# Altium PCB HAE_PCB.PcbDoc (continued)
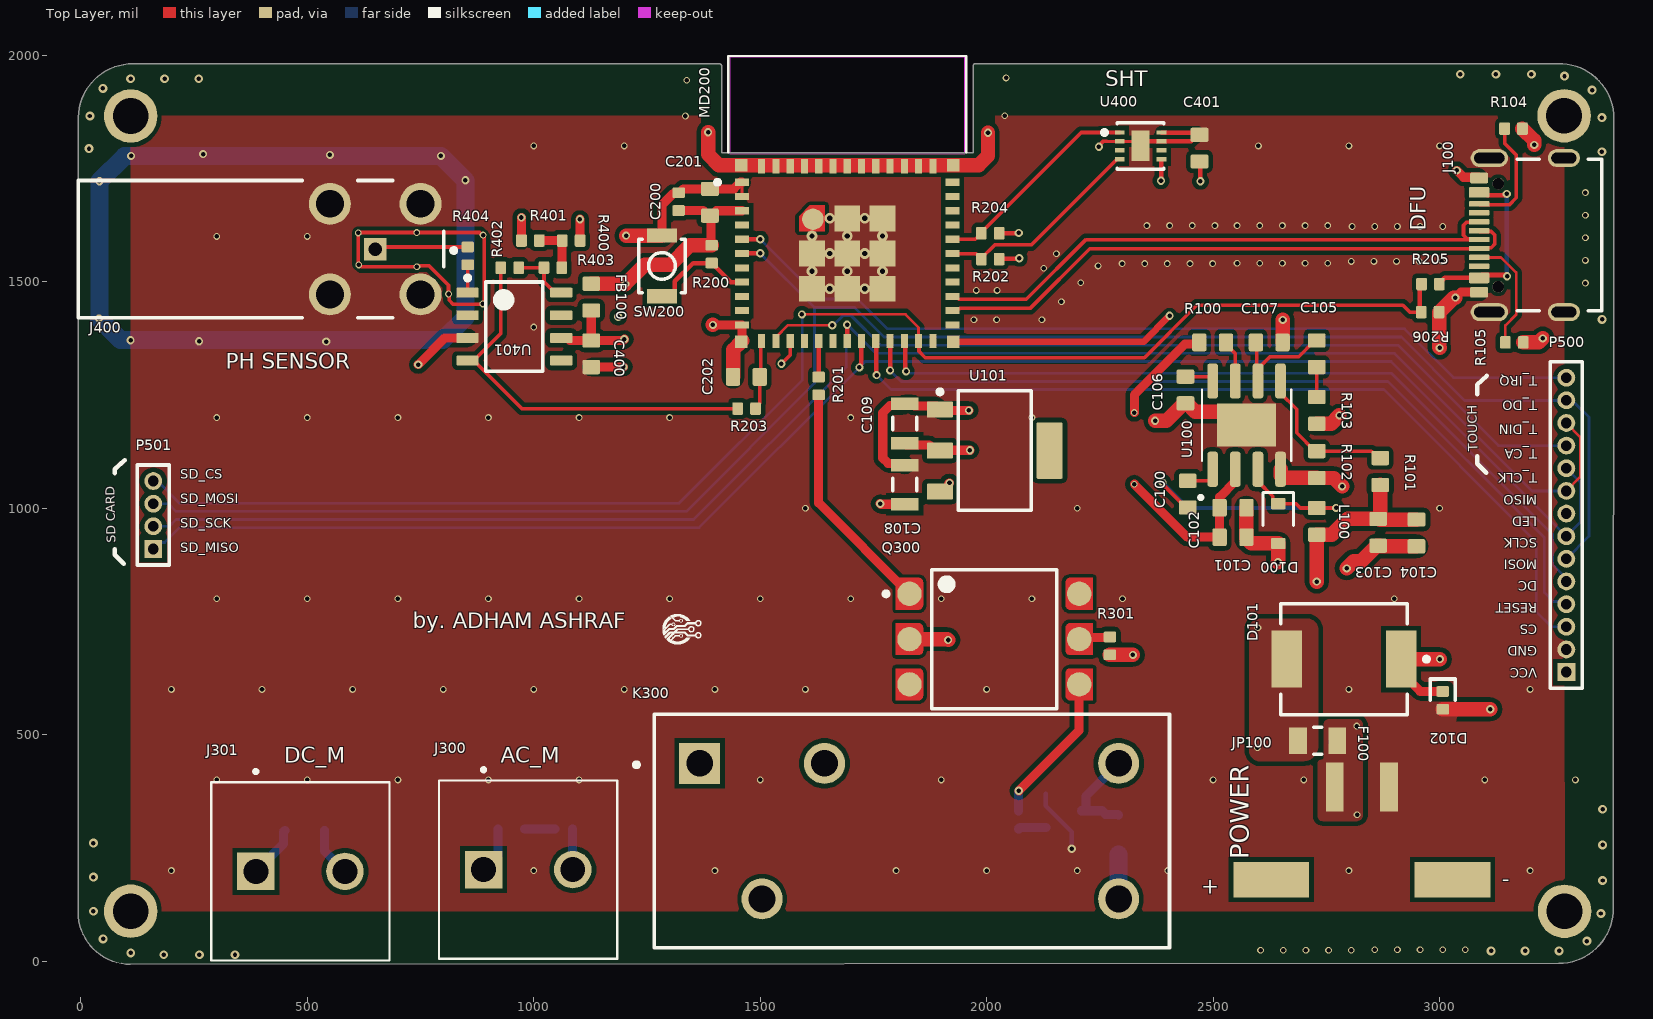
[diagram p0: Top Layer view]
## Footprints (in the part's own frame and the unit in brackets; to place one, negate y for a bottom-side part, rotate by r counter-clockwise, add the part's x,y. Pads: shape width x height; smd on the part's side, far side on the other; paste and mask are expansions set on the pad) (continued)
  round 2.35 hole 1.55 paste-2539.97 mask+0: 2(3.86,2.54) 3(8.94,2.54) 4(3.86,-2.54) 5(8.94,-2.54)
  silkscreen extent -10.25,-3.85 10.93,3.85, body extent -10.35,-3.95 10.35,3.95, height 0.25
FP-ESP32-C3-MINI-1-N4-MFG [mm]
  rect 0.8x0.4 smd paste+0 mask+0: 1(-5.9,4) 2(-5.9,3.2) 3(-5.9,2.4) 4(-5.9,1.6) 5(-5.9,0.8) 6(-5.9,0) 7(-5.9,-0.8) 8(-5.9,-1.6) 9(-5.9,-2.4) 10(-5.9,-3.2) 11(-5.9,-4) 25(5.9,-4) 26(5.9,-3.2) 27(5.9,-2.4) 28(5.9,-1.6) 29(5.9,-0.8) 30(5.9,0) 31(5.9,0.8) 32(5.9,1.6) 33(5.9,2.4) 34(5.9,3.2) 35(5.9,4)
  rect 0.4x0.8 smd paste+0 mask+0: 12(-4.8,-4.9) 13(-4,-4.9) 14(-3.2,-4.9) 15(-2.4,-4.9) 16(-1.6,-4.9) 17(-0.8,-4.9) 18(0,-4.9) 19(0.8,-4.9) 20(1.6,-4.9) 21(2.4,-4.9) 22(3.2,-4.9) 23(4,-4.9) 24(4.8,-4.9) 36(4.8,4.9) 37(4,4.9) 38(3.2,4.9) 39(2.4,4.9) 40(1.6,4.9) 41(0.8,4.9) 42(0,4.9) 43(-0.8,4.9) 44(-1.6,4.9) 45(-2.4,4.9) 46(-3.2,4.9) 47(-4,4.9) 48(-4.8,4.9)
  rect 1.45x1.45 smd paste+0 mask+0: 49(-1.975,-1.975) 49(-1.975,0) 49(0,-1.975) 49(0,0) 49(0,1.975) 49(1.975,-1.975) 49(1.975,0) 49(1.975,1.975)
  round 1.207 smd paste+0 mask+0: 49(-1.926,1.926)
  rect 0.7x0.7 smd paste+0 mask+0: 50(5.95,4.95) 51(5.95,-4.95) 52(-5.95,-4.95) 53(-5.95,4.95)
  Top Layer region: -2.7,1.25 -2.7,2.1 -2.1,2.7 -1.25,2.7 -1.25,1.25
  Keep-Out Layer region: -6.6,5.6 6.6,5.6 6.6,11 -6.6,11
  silkscreen extent -7.4,3.88 6.68,11.07, body extent -6.78,-5.77 6.78,11.17, height 0.25
FP-JW1FSN-B-DC5V-MFG [mm]
  rect 2.3x2.3 hole 1.5 paste-2539.97 mask+0: 1(11.9,-3.8)
  round 2.3 hole 1.5 paste-2539.97 mask+0: 2(4.9,-3.8) 3(-11.6,-3.8) 4(8.4,3.8) 5(-11.6,3.8)
  silkscreen extent -14.45,-6.55 15.57,6.55, body extent -14.55,-6.65 14.55,6.65, height 0.25
FP-MF-PSMF-MFG [mm]
  rect 1x1.5 smd paste+0 mask+0: 1(-1.1,0) 2(1.1,0)
  silkscreen extent -0.23,-0.75 0.23,0.75, body extent -1.7,-0.85 1.7,0.85, height 0.25
FP-SHT30-DIS-B2_5KS-MFG [mm]
  rect 0.55x0.25 smd paste-1000 mask-1000: 1(-1.175,0.75) 2(-1.175,0.25) 3(-1.175,-0.25) 4(-1.175,-0.75) 5(1.175,-0.75) 6(1.175,-0.25) 7(1.175,0.25) 8(1.175,0.75)
  rect 1x1.7 smd paste-1000 mask+0: 9(0,0)
  silkscreen extent -2.15,-1.3 1.3,1.3, body extent -1.65,-1.4 1.65,1.4, height 0.25
FP-SMC-MFG [mm]
  rect 1.72x3.2 smd paste+0 mask+0: 1(-3.205,0) 2(3.205,0)
  silkscreen extent -4.75,-3.11 3.55,3.11, body extent -4.17,-3.21 4.17,3.21, height 0.25
IND_0603 [mm]
  rrect25% 0.8x1 smd: 1(-0.75,0) 2(0.75,0)
  body extent -0.81,-0.37 0.81,0.37, height 0.87
MHDR1X4 [mm] "Connector; Header; 4 Position"
  rect 1x1 hole 0.6: 1(0,0)
  round 1 hole 0.6: 2(1.27,0) 3(2.54,0) 4(3.81,0)
  silkscreen extent -0.9,-0.9 4.71,0.9
MHDR1X14 [mm] "Connector; Header; 14 Position"
  rect 1x1 hole 0.6: 1(0,0)
  round 1 hole 0.6: 2(1.27,0) 3(2.54,0) 4(3.81,0) 5(5.08,0) 6(6.35,0) 7(7.62,0) 8(8.89,0) 9(10.16,0) 10(11.43,0) 11(12.7,0) 12(13.97,0) 13(15.24,0) 14(16.51,0)
  silkscreen extent -0.9,-0.9 17.41,0.9
MOLEX-MICROFIT-2-SMD-HORZ [mm] "Micro-Fit 3.0™ Right Angle Header, 3.00mm Pitch, Single Row, 2 Circuits, with Solder Tab, Tin, Glow Wire Capable, Black"
  rect 4.25x2 smd: 0(-5.08,-0.381) 0(5.08,-0.381)
  rect 1x2.75 smd: 1(1.524,4.826) 2(-1.524,4.826)
  body extent -6.79,-4.99 6.86,5.75, height 5.64
RES_0402 [mm]
  rrect25% 0.6x0.7 smd: 1(-0.5,0) 2(0.5,0)
  body extent -0.5,-0.25 0.5,0.25, height 0.3
RES_0603 [mm]
  rrect25% 0.8x1 smd: 1(-0.75,0) 2(0.75,0)
  body extent -0.8,-0.43 0.8,0.43, height 0.52
SOD-323 [mm]
  rrect25% 0.63x0.83 smd: A(-1.115,0) K(1.115,0)
  silkscreen extent -0.1,-0.85 1.75,0.85, body extent -1.3,-0.68 1.3,0.68, height 1.1
SOIC127P600X170-9N [mm]
  rrect50% 1.97x0.6 smd: 1(-2.475,1.905) 2(-2.475,0.635) 3(-2.475,-0.635) 4(-2.475,-1.905) 5(2.475,-1.905) 6(2.475,-0.635) 7(2.475,0.635) 8(2.475,1.905)
  rect 2.41x3.3 smd paste-3: 9(0,0)
  silkscreen extent -4.16,-2.5 2,2.67, body extent -3,-2.44 3,2.46, height 1.7
SSM3J338R,LF-SOT23-F [mm]
  rrect25% 0.6x1 smd: D(0,1) G(-0.95,-1) S(0.95,-1)
  body extent -1.45,-1.2 1.45,1.2, height 0.91
TE_282856-2 [mm]
  rect 2.1x2.1 / inner round 2.1 / far side rect 2.1x2.1 hole 1.4: 1(-2.5,0)
  round 2.1 hole 1.4: 2(2.5,0)
  silkscreen extent -5,-5 5,5.7, body extent -5,-5 5.5,5, height 19
USB4105-GF-A-060 [mm]
  rrect25% 0.6x1 smd mask+0.05: A1B12(-3.2,2.378) B1A12(3.2,2.378)
  rrect25% 0.6x1.15 smd mask+0.05: A4B9(-2.4,2.378) B4A9(2.4,2.378)
  rrect25% 0.3x1.15 smd mask+0.05: A5(-1.25,2.378) A6(-0.25,2.378) A7(0.25,2.378) A8(1.25,2.378) B5(1.75,2.378) B6(0.75,2.378) B7(-0.75,2.378) B8(-1.75,2.378)
  round 0.65 hole 0.65 unplated mask+0.05: MH(-2.89,1.303) MH(2.89,1.303)
  oval 1x1.8 hole 0.6 slot 1.4 at 90 deg: SH(-4.32,-2.377) SH(4.32,-2.377)
  oval 1x2.1 hole 0.6 slot 1.7 at 90 deg: SH(-4.32,1.803) SH(4.32,1.803)
  silkscreen extent -4.25,-4.5 4.25,0.25, body extent -4.47,-4.97 4.47,2.73, height 3.27

## Part data
C100 C101 C102 C103 C104 C105 C106 C107 C201 C202 C300 C400 C401: library part CAP_0603, "Capacitor SMD 0603"
C108 C109: library part CMP-2007-00011-1, "TACH106M010XTA", Manufacturer="AVX Interconnect / Elco", Part Number=TACH106M010XTA
C200: library part CAP_0402, "Capacitor SMD 0402"
D100: "Diode Zener SMD SOD-323"
D101: library part CMP-02539-000066-1, "DIODE SCHOTTKY 40V 3A DO214AB", Average Rectified Current=3A, Case/Package=SMC, Forward Voltage=500mV, Max Operating Temperature=125°C, Max Repetitive Reverse Voltage (Vrrm)=40V, Max Reverse Current=500uA, Max Surge Current=100A, Min Operating Temperature=-55°C, Package Quantity=3500, Element Configuration=Single, Forward Current=3A, Max Reverse Leakage Current=500uA, Max Reverse Voltage (DC)=40V, Mount="Surface Mount", Number of Pins=2, Packaging="Tape and Reel", Peak Non-Repetitive Surge Current=100A, Radiation Hardening=No, RoHS Compliant=Yes, Series=-
D102: "Diode TVS / ESD 0402"
D300 D301: "Diode Schottky SMD SOD-323"
F100: library part CMP-07400-000005-1, "PTC RESET FUSE 9V 200MA 0805", Ambient Temperature Range High=+85°C, Ambient Temperature Range Low=-40°C, Current Rating=40A, Hold Current=0.2A, Manufacturer=Bourns, Package=MF-PSMF, Resistance=0.65-3.5Ω, Temperature="-40°C to +85°C", Trip Current=0.5A, Voltage Rating=9V, Automotive=No, Category=Fuse, ComponentLink2Description=Datasheet, ComponentLink2URL=https://www.bourns.com/docs/Product-Datasheets/mfpsmf.pdf, Device Class L1="Circuit Protection", Device Class L2="PTC Resettable Fuses", Device Class L3=unset, Digikey Description="PTC RESET FUSE 9V 200MA 0805", Height=0.85mm, Lead Free=Yes, Manufacturer Part Number=MF-PSMF020X-2, Mouser Description="PTC Resettable Fuse 0.2A(hold) 0.5A(trip) 9V 40A 0.5W 0.02s 0.65Ohm SMD Solder Pad 0805 T/R", Octopart=https://octopart.com/mf-psmf020x-2-bourns-7483437, RoHS=TRUE, Temperature Range High=+85°C, Temperature Range Low=-40°C, Trip Time=0.02s
FB100: library part FB_0603, "Ferrite Bead SMD 0603"
J100: "USB Connector Type C SMT 12 Pin", Manufacturer=GCT, Distributor Link=https://eu.mouser.com/ProductDetail/GCT/USB4105-GF-A-060?qs=QNEnbhJQKvY2mocwNJzgfA%3D%3D, Manufacturer Part Number=USB4105-GF-A-060
J300 J301: "TERMI-BLOK PCB MOUNT 2P", Package=None, Availability="In Stock", Check_prices=https://www.snapeda.com/parts/282856-2/TE+Connectivity+AMP+Connectors/view-part/?ref=eda, EU_RoHS_Compliance="Compliant with Exemptions", MF="TE Connectivity", MP=282856-2, Price=None, Purchase-URL=https://pricing.snapeda.com/search/part/282856-2/?ref=eda, SnapEDA_Link=https://www.snapeda.com/parts/282856-2/TE+Connectivity+AMP+Connectors/view-part/?ref=snap
J400: library part CMP-20040-000010-1, "CONN HDBNC JACK R/A 75 OHM PCB", Dielectric Material=PTFE, Housing Color=Silver, Max Frequency=18GHz, Max Operating Temperature=165°C, Min Operating Temperature=-65°C, Package Quantity=100, Body Material=Brass, Body Plating=Nickel, Connector Type=BNC, Contact Material=Copper, Contact Plating=Gold, Fastening Type=Bayonet, Impedance=75R, Mount="Through Hole", Packaging=Bulk, RoHS Compliant=Yes, Termination=Solder
JP100: Manufacturer=Molex, PartNumber=43650-0212, Mounting Technology="Surface Mount", PackageReference=Microfit-3.0mm
K300: library part CMP-05606-000101-1, "RELAY GEN PURPOSE SPDT 10A 5V", Coil Current=106mA, Coil Power=530mW, Coil Resistance=47R, Coil Voltage (DC)=5V, Contact Current Rating=10A, Max Operating Temperature=85°C, Max Voltage Rating (AC)=250V, Max Voltage Rating (DC)=30V, Min Operating Temperature=-40°C, Package Quantity=100, Ratings=IP67, Switching Capacity=300W, Test Voltage=5kV, Coil Type=Non-Latching, Contact Material=Silver, Depth=12.8mm, Lead Free="Lead Free", Length=28.6mm, Max Current Rating=10A, Mount="Through Hole", Number of Pins=5, Operate Time=15ms, Packaging=Bulk, Power Consumption=530mW, Radiation Hardening=No, Relay Type="General Purpose", Release Time=5ms, RoHS Compliant=Yes, Series=JW, Switching Current=10A, Termination="PC Pin", Throw Configuration=SPDT, Voltage Rating (AC)=250V, Voltage Rating (DC)=30V
L100: library part IND_0603, "Inductor SMD 0603"
MD200: library part CMP-10700-116589975-1, "Multiprotocol Modules SMD module, ESP32-C3FN4, PCB antenna, -40 C +85 C", Ambient Temperature Range High=85°C, Current - Receiving=84mA, Current - Transmitting=350mA, Max Frequency=2.484GHz, Max Supply Voltage=3.6V, Min Operating Temperature=-40°C, Min Supply Voltage=3V, Data Rate=150Mbps, Height=2.55mm, Interface=SPI, Max Operating Temperature=85°C, Number of GPIO=13
P500: "Header, 14-Pin", LatestRevisionDate=17-Jul-2002, LatestRevisionNote="Re-released for DXP Platform.", Publisher="Altium Limited"
P501: "Header, 4-Pin", LatestRevisionDate=17-Jul-2002, LatestRevisionNote="Re-released for DXP Platform.", Publisher="Altium Limited"
Q300: library part CMP-00030-12292229-1, "4N25-X009T Optocoupler DC-IN 1-CH Transistor With Base DC-OUT 6-Pin PDIP SMD T/R", Case/Package=SMD/SMT, Collector Emitter Saturation Voltage=500mV, Collector Emitter Voltage (VCEO)=70V, Current Transfer Ratio=50%, Forward Current=60mA, Forward Voltage=1.36V, Max Collector Current=100mA, Max Operating Temperature=100°C, Max Power Dissipation=150mW, Min Operating Temperature=-55°C, Output Current per Channel=50mA, Reverse Breakdown Voltage=6V, Contact Plating=Tin, Lead Free="Lead Free", Max Input Current=60mA, Max Output Voltage=70V, Mount="Surface Mount", NexarPartId=12292229, Number of Channels=1, Number of Elements=1, Number of Pins=6, Packaging="Tape & Reel (TR)", Power Dissipation=150mW, Radiation Hardening=No, RoHS=Compliant
Q301: "MOSFET N-Channel Vds=60V Id=300mA with ESD Protection", Manufacturer=Nexperia, Manufacturer Part Number=2N7002NXAKR
R100 R101 R102 R103: library part RES_0603, "Resistor SMD 0603"
R104 R105 R200 R201 R202 R203 R204 R205 R206 R300 R301 R302 R400 R401 R402 R403 R404: library part RES_0402, "Resistor SMD 0402"
SW200: "Tactile Switch SPST-NO Top Actuated Surface Mount", Contact Current Rating=50mA, Contact Resistance=100mR, Insulation Resistance=100MR, IP Rating="IP40,Dust Proof", Manufacturer=Omron, Max Operating Temperature=70°C, Max Voltage Rating (DC)=12V, Min Operating Temperature=-25°C, Operating Force=1.5N, Package Quantity=1, Supplier Part Number 1=SW1020DKR-ND, Actuator Length=0.4mm, ComponentLink1Description=https://datasheet.ciiva.com/26917/getdatasheetpartid-552554-26917552.pdf, ComponentLink1URL=https://datasheet.ciiva.com/26917/getdatasheetpartid-552554-26917552.pdf, ComponentLink2Description=https://datasheet.ciiva.com/22696/1685550-22696214.pdf, ComponentLink2URL=https://datasheet.ciiva.com/22696/1685550-22696214.pdf, ComponentLink3Description=https://datasheet.ciiva.com/1532/1685550-1532680.pdf, ComponentLink3URL=https://datasheet.ciiva.com/1532/1685550-1532680.pdf, ComponentLink4Description=https://datasheet.ciiva.com/1634/1685550-1634396.pdf, ComponentLink4URL=https://datasheet.ciiva.com/1634/1685550-1634396.pdf, ComponentLink5Description=https://datasheet.ciiva.com/14142/b3u-eng-datasheet-14142540.pdf, ComponentLink5URL=https://datasheet.ciiva.com/14142/b3u-eng-datasheet-14142540.pdf, ComponentLink6Description=https://datasheet.ciiva.com/2900/b3u-1110-2900029.pdf, ComponentLink6URL=https://datasheet.ciiva.com/2900/b3u-1110-2900029.pdf, ComponentLink7Description=https://datasheet.ciiva.com/16155/en-b3u-16155021.pdf, ComponentLink7URL=https://datasheet.ciiva.com/16155/en-b3u-16155021.pdf, ComponentLink8Description=https://datasheet.ciiva.com/2900/b3u-1110-2900030.pdf, ComponentLink8URL=https://datasheet.ciiva.com/2900/b3u-1110-2900030.pdf, ComponentLink9Description=https://datasheet.ciiva.com/16862/70176037-16862846.pdf, ComponentLink9URL=https://datasheet.ciiva.com/16862/70176037-16862846.pdf, ComponentLink10Description=https://datasheet.ciiva.com/2900/b3u-1110-2900031.pdf, ComponentLink10URL=https://datasheet.ciiva.com/2900/b3u-1110-2900031.pdf, Contact Material=Silver, Current Rating=50mA, Depth=2.5mm, Electrical Life=200000Cycles, Height=1.2mm, Illumination Type=Non-Illuminated,Illuminated, Lead Free="Lead Free", Length=4mm, Manufacturer Part Number=B3U-1000P, Max Current Rating=50mA, Mechanical Life=200000Cycles, Mount="Surface Mount", Orientation=Straight, Packaging="Tape and Reel", Pricing 1="1=1, 10=0.961, 25=0.9064, 50=0.7976, 100=0.7251, 250=0.6889, 500=0.6707, 1000=0.5257 (USD)", REACH SVHC=Unknown, Stock 1=104895, Supplier 1=Digi-Key, Switch Function=Off-Mom, Switch Travel=0.15mm, Termination=SMD/SMT, Throw Configuration=SPST, Voltage Rating (DC)=12V, Weight=0.000776oz, Width=3mm
U100: "Buck Switching Regulator IC Positive Adjustable 0.925V 1 Output 3A 8-SOIC (0.154, 3.90mm Width) Exposed Pad", Package="SOIC-8 Monolithic Power", Availability="In Stock", Check_prices=https://www.snapeda.com/parts/MP2307DN-LF-Z/Monolithic+Power+Systems+Inc./view-part/?ref=eda, MF="Monolithic Power", MP=MP2307DN-LF-Z, Price=None, Purchase-URL=https://pricing.snapeda.com/search/part/MP2307DN-LF-Z/?ref=eda, SnapEDA_Link=https://www.snapeda.com/parts/MP2307DN-LF-Z/Monolithic+Power+Systems+Inc./view-part/?ref=snap
U101: library part CMP-0062-01638-4, "800mA Low-Dropout Linear Regulator, 4-pin SOT-223, Pb-Free", Manufacturer="Texas Instruments", PackageTopMarking=XYTT*N05A, PowerWise=N, Code_IPC=SOT223-4, Code_JEDEC=TO-261-AA, ComponentLink1Description="Datasheet URL", ComponentLink1URL=http://www.ti.com/general/docs/lit/getliterature.tsp?genericPartNumber=LM1117-N&fileType=pdf, CompType="LDO IC", High-Reliability=Y, PackageDescription="Molded SOT-223, 6.50 x 3.56 x 1.6mm Body, 4 Lead, 2.3mm Pitch", PackageReference=DCY0004A, PartNumber=LM1117MP-3.3/NOPB, PinCount=4, RoHS=Y
U400: library part CMP-144040-000006-1, "SENSOR HUMID/TEMP 5V I2C 3% SMD"
U401: library part CMP-0055-00396-3, "3 Femtoampere Input Bias Current Precision Amplifier, 8-pin Narrow SOIC, Pb-Free", Manufacturer="Texas Instruments", Package Reference=D0008A, PackageTopMarking=NSZXTT*LMP77*21MA, PowerWise=Y, Code_IPC=SOIC127P600-8, Code_JEDEC=MS-012-AA, ComponentLink1Description="Datasheet URL", ComponentLink1URL=http://www.ti.com/general/docs/lit/getliterature.tsp?genericPartNumber=LMP7721&fileType=pdf, CompType=Amplifiers, PackageDescription="SOIC Narrow, 4.9 x 3.9 x 1.45mm, 8 Lead, 1.27mm Pitch", PinCount=8, RoHS=Y

## Free pads (board coordinates)
  round 118.11 hole 78.74: 1(3276,110) 2(3275,1866.38) 3(110,1866) 4(110,110.24)

## Via types
v1: diameter 15, hole 10, Top Layer to Bottom Layer, 133 vias
v2: diameter 18, hole 10, Top Layer to Bottom Layer, 63 vias
v3: diameter 19.68, hole 9.84, Top Layer to Bottom Layer, tented both sides, 30 vias
v4: diameter 23.62, hole 11.81, Top Layer to Bottom Layer, 12 vias

## Nets (pads, with @x,y where several pads share a name; then routed paths per layer and width w, separated by ;. In a path a pad name is that pad's centre, name@x,y a point inside that pad or via, vN(x,y) a via of type N, cw(c..) or ccw(c..) an arc to the next point about the centre after c; other vN are vias at no path point)
+1.65V: R400.2 R401.1 R403.1 | length 111
  Top Layer w20: R401.1 R400.2 1062.43,1590.53 1062.43,1531.47 R403.1
+3V3: C109.2 C200.2 C201.2 C401.2 FB100.1 MD200.3 P500.1 P500.8 R200.2 R202.2 R204.2 U101.2 U400.5 | length 4558.5
  Top Layer w10: R202.2 2028.69,1551 2071,1551 v2(2072,1552) ; R204.2 2028.19,1607.5 2070.5,1607.5 v2(2071,1608) ; v2(2385,1723) 2385.63,1723.63 2385.63,1770.39 2385.71,1770.47 U400.5 ; C401.2 2472,1763.47 v2(2472,1722)
  Top Layer w20: C200.2 1373.69,1657.31 1385.06,1645.94 C201.2 ; R200.2 1392.81,1580.69 1391,1582.5 1391,1644.01 1403.72,1656.73 MD200.3 ; C109.2 1822.78,1139.91 1873.13,1139.91 1886.05,1127 1887.05,1128 v2(1963,1128)
  Top Layer w32: FB100.1 1201.47,1495.53 v2(1202,1495) 1244.84,1537.84 1301.89,1537.84 1344.73,1580.69 R200.2
  Int2 (PWR) w22: 3213.57,638.19 P500.1 ; 3222,986 3277.81,986 P500.8
  Int2 (PWR) w25: 3191.19,638.19 3213.57,638.19
  Int2 (PWR) w32: 3175.19,638.19 3191.19,638.19 ; 3190.19,986 3222,986
  Int2 (PWR) w40: 3132,661.62 3155.43,638.19 3175.19,638.19 ; 3138,986 3190.19,986
  Int2 (PWR) w60: v2(1202,1495) 1569,1128 v2(1963,1128) 2071,1236 2071,1276 ; v2@2071,1551 2071,1276 ; v2@2071,1552 v2(2071,1608) 2270,1608 v2(2385,1723) 2386,1722 v2(2472,1722) ; 3132,661.62 3113,680.62 3113,986 ; 3138,986 3113,986 ; 2071,1276 2078.13,1283.13 2793.87,1283.13 3091,986 3113,986
+3V3A: C400.2 FB100.2 R400.1 U401.6 | length 561.3
  Top Layer w20: U401.6 1074.4,1376 1079.87,1370.53 C400.2 ; v2(1102,1638) 1102.28,1637.72 R400.1 ; FB100.2 C400.2 ; v2(1200,1373) 1197.53,1370.53 C400.2
  Int2 (PWR) w40: v2(1102,1638) 1102,1507.32 v2(1186.66,1422.66) 1186.66,1386.34 v2(1200,1373)
+5V: C103.2 C104.2 C108.2 D301.K K300.5 L100.2 R101.1 R301.2 U101.3 | length 2440.2
  Top Layer w20: v2(1765,1010) 1766.31,1008.69 C108.2 ; U101.3@1907.7,1036.45 1915.42,1044.17 1915.42,1053.42 v2(1918,1056)
  Top Layer w32: R301.2 2322.69,676.31 v2(2323,676) ; v2(2729,838) L100.2 2729.25,941.72 2762.2,941.72 2796.81,976.34 C103.2 ; R101.1 2869,977.41 2867.93,976.34 2869.27,975 C104.2
  Int2 (PWR) w60: v2(1765,1010) 1872,1010 v2(1918,1056) 1943,1056 v2(2323,676) ; K300.5 2297.4,143.21 2297.4,272.59 2374.71,349.9 2374.71,624.29 v2(2323,676) ; v2(2729,838) 2485,838 v2(2323,676)
  Bottom Layer w40: D301.K 2291,137.92 K300.5
+IN: R404.1 U401.1 | length 61.5
  Top Layer w8: U401.1 854.28,1476.35 R404.1
-IN: R402.2 R403.2 U401.8 | length 134.8
  Top Layer w8: R402.2 R403.2 1022.59,1500.25 1046.84,1476 U401.8
CENTER_SIGNAIL: J400.1 R404.2 | length 206.2
  Top Layer w8: J400.1 654.69,1576.69 R404.2
ESP_ADC1: C202.2 MD200.12 R203.1 | length 155
  Top Layer w8: R203.1 1489.68,1221.97 1499.06,1231.34 C202.2 1501.16,1292.11 1501.16,1367.22 MD200.12
ESP_EN: MD200.8 R200.1 SW200.2 | length 236.8
  Top Layer w10: SW200.2 1300.72,1468.07 1311.46,1478.82 1311.46,1500.75 1352.03,1541.32 R200.1 ; R200.1@1394.97,1541.32 1401.78,1534.5 1401.78,1532.54 1435.06,1499.25 MD200.8
ESP_MISO: MD200.18 P500.9 P500.12 P501.2 | length 3721
  Top Layer w6: P500.9 3310.56,1068.75 3310.56,1157.63 P500.12
  Top Layer w10: v2(1692,1405.13) 1692.12,1405 1692.12,1369.45 MD200.18
  Bottom Layer w6: P501.2 160.17,960.17 195.17,960.17 210,975 1353,975 1690.13,1312.13 1690.13,1403.25 v2(1692,1405.13) 1692.87,1405.13 1756,1342 2900.63,1342 3204.44,1038.19 P500.9
ESP_MOSI: MD200.6 P500.6 P500.13 P501.3 | length 4096.2
  Top Layer w10: MD200.6 1460.34,1562.62 1499.62,1562.62 v2(1500,1563)
  Bottom Layer w6: P501.3 193,1010 210,993 1337,993 1620,1276 1620,1443 ; v2(1500,1563) 1620,1443 ; P500.6 3330,938.19 3330,1201 3299.2,1231.8 P500.13@3286.39,1231.8 ; P500.13 3279.81,1238 3055.54,1238 2915.54,1378 1773.56,1378 1708.56,1443 1620,1443
ESP_RELAY: MD200.16 R201.1 | length 82.3
  Top Layer w10: MD200.16 1629.25,1295.12 R201.1@1635,1289.37
ESP_SCL: MD200.30 R202.1 U400.4 | length 465.9
  Top Layer w8: MD200.30 1975.82,1562.24 1978.28,1559.78 1980.5,1559.78 R202.1@1988.32,1551.97 ; R202.1 R202.1@1988.32,1551.97 ; U400.4 2287.83,1770.47 2098.71,1581.35 2017.69,1581.35 R202.1@1988.32,1551.97
ESP_SCLK: MD200.19 P500.7 P500.10 P501.1 | length 3686.9
  Top Layer w10: v2(1719,1311) 1719,1313.16 1723.37,1317.53 1723.37,1368.96 MD200.19
  Bottom Layer w6: P501.1 174.17,924.17 185.17,924.17 218,957 1365,957 v2(1719,1311) 1732,1324 2893.18,1324 3278.99,938.19 P500.7 3310.56,968.75 3310.56,1057.63 P500.10
ESP_SDA: MD200.31 R204.1 U400.1 | length 468.3
  Top Layer w8: MD200.31 1975.02,1593.74 R204.1 1988.32,1608.97 2208.87,1829.53 2248.24,1829.53 2248.56,1829.84 2273.13,1829.84 2273.44,1829.53 U400.1
ESP_TFT_CS: MD200.20 P500.3 | length 1919.5
  Top Layer w10: MD200.20 1756.12,1368.45 1756.12,1294.88 v2(1757,1294)
  Bottom Layer w6: v2(1757,1294) 1789,1262 2877,1262 3213.44,925.56 3213.44,771.56 3246.81,738.19 P500.3
ESP_TFT_DC: MD200.22 P500.5 | length 1762.1
  Top Layer w10: MD200.22 1820.47,1367.09 1820.47,1303.53 v2(1822,1302)
  Bottom Layer w6: v2(1822,1302) 1825.25,1302 1829.25,1298 2893.72,1298 3249.44,942.28 3249.44,875.53 3280,844.97 P500.5
ESP_TFT_RST: MD200.21 P500.4 | length 1843.1
  Top Layer w10: MD200.21 1786.87,1369.2 1786.87,1304.26 v2(1787,1304.13)
  Bottom Layer w6: v2(1787,1304.13) 1811.13,1280 2886.27,1280 3231.44,934.82 3231.44,813.56 3251.12,793.88 3274.31,793.88 P500.4
ESP_TOUCH_CS: MD200.13 P500.11 | length 1891.7
  Top Layer w6: MD200.13@1535.38,1369.95 1535.38,1377.82 1561.64,1404.08 1586.08,1404.08 v2(1659,1404.08)
  Top Layer w10: MD200.13 MD200.13@1535.38,1369.95
  Bottom Layer w6: v2(1659,1404.08) 1661.97,1404.08 1682.89,1425 1701.11,1425 1766.11,1360 2908.09,1360 3129.9,1138.19 P500.11
ESP_TOUCH_IRQ: MD200.5 P500.14 | length 1946.9
  Top Layer w10: MD200.5 1460.09,1593.87 1499.87,1593.87 v2(1500,1594)
  Bottom Layer w6: v2(1500,1594) 1632.2,1461.8 1668.79,1461.8 1668.86,1461.87 1715.14,1461.87 1781.02,1396 2923,1396 3030.81,1288.19 P500.14
ESP_USB_indicate: MD200.23 P501.4 R205.2 R206.1 | length 3267.8
  Top Layer w6: v2(1592,1428) 1820.8,1428 1849.72,1399.08 MD200.23
  Top Layer w8: MD200.23 1850.59,1368.46 1850.59,1346.27 1864.5,1332.36 2348.41,1332.36 2463.92,1447.87 2919.13,1447.87 2934,1433 R206.1
  Top Layer w10: R206.1 2956.47,1436.16 2956.47,1491.02 R205.2@2960.31,1494.86
  Bottom Layer w6: P501.4 169,1060 218,1011 1321,1011 1592.99,1282.99 1592.99,1427.01 v2(1592,1428)
GND: C101.1 C102.1 C103.1 C104.1 C106.1 C107.1 C108.1 C109.1 C200.1 C201.1 C202.1 C400.1 C401.1 D100.A D102.A J100.A1B12 J100.B1A12 J100.SH J400.2 J400.3 J400.4 J400.5 JP100.1 MD200.1 MD200.2 MD200.11 MD200.14 MD200.36 MD200.37 MD200.38 MD200.39 MD200.40 MD200.41 MD200.42 MD200.43 MD200.44 MD200.45 MD200.46 MD200.47 MD200.48 MD200.49 MD200.50 MD200.51 MD200.52 MD200.53 P500.2 Q300.2 Q301.S R102.1 R103.1 R104.1 R105.1 R206.2 R401.2 SW200.1 U100.4 U100.9 U101.1 U400.2 U400.7 U400.8 U400.9 U401.3 | length 7471.6
  Top Layer w6: MD200.2 MD200.1 ; 2264.84,1809.84 U400.2 2330.16,1809.84 U400.9
  Top Layer w8: v1(613.55,1537.17) 612.27,1538.44 v1(612.27,1607.73) 613.22,1608.68 v1(741.61,1608.68) 880.43,1608.68 886.11,1603 v1(888,1603) 888,1601.11 890.41,1598.7 890.41,1456.41 888.8,1454.8 888.8,1454.23 886.8,1452.23 v1@886.23,1452.23 ; v1@615.83,1539.45 615.83,1536.77 619.61,1533 740.11,1533 742,1534.89 742,1535 769.21,1535 811.71,1492.5 811.71,1473.11 v1(811.82,1473) ; v1@810,1473 813.16,1469.84 813.16,1458.89 822.06,1450 886.46,1450 v1(887.46,1451) ; v2(1547,1319) 1566.26,1338.26 MD200.14 ; v2(2248,1798) 2248,1801 2256.84,1809.84 2264.84,1809.84
  Top Layer w10: U400.9 2349.84,1809.84 U400.7 2451.38,1809.84 2465.08,1823.54 2465.08,1829.45 2386.34,1829.45 U400.8
  Top Layer w15: MD200.51 2346.36,1367.36 v2(2404,1425)
  Top Layer w20: v2(745,1317) 804,1376 U401.3 ; R401.2 v2(972.91,1641.91) ; C400.1 1197.47,1311.47 v2(1198,1312) ; SW200.1 1283,1669.45 1308.42,1694.87 1318.19,1694.87 C200.1 ; C200.1@1321.97,1696.68 1330.28,1705 C201.1 1441.61,1705 1456.34,1719.72 MD200.1 ; v2(1395.76,1404.76) MD200.11 MD200.52@1459.96,1369.33 ; C108.1 1815.22,1099.09 1782.33,1099.09 1770.61,1110.8 1770.61,1210.61 1786.53,1226.53 1815.22,1226.53 C109.1 1835.73,1230.31 1840.77,1225.27 1889.16,1225.27 U101.1 1898.43,1216 v2(1961,1216) ; v2(3035,1465) 3047.02,1477.02 J100.A1B12 ; v2(3038,1746) 3053.2,1730.8 3085.59,1730.8 J100.B1A12
  Top Layer w32: v2(1204.07,1601.93) SW200.1 ; v2(1385,1830.12) 1385,1781 1408.87,1757.13 MD200.53 1597.76,1757.13 1660.75,1757.13 1786.73,1757.13 1881.22,1757.13 MD200.50 1982.13,1757.13 2003,1778 v2(2003,1829) ; v2@1395,1405 1395.53,1405 v2(1395.76,1404.76) ; C202.1 1440,1349.37 MD200.52 MD200.52@1459.96,1369.33 ; Q300.2 1913,711 v2(1915,709) ; v2(2372,1193) 2397.09,1193 C106.1@2435.31,1231.22 ; C106.1 2442.43,1231.47 2461.04,1212.87 2544.57,1212.87 U100.9 ; C102.1 C101.1 2573.53,932.57 2583.99,922.1 D100.A 2643.66,921.76 2643.66,881.54 v2(2643,880.87) ; U100.4 2649,1071.13 2653.19,1066.94 R102.1 2729.25,1066.69 2766.31,1066.69 v2(2785,1048) ; C107.1 2653.78,1366.25 v2(2653.78,1415.87) ; R103.1 2729.25,1186.72 2760.85,1186.72 v2(2779,1204.87) ; v2(2795,867.13) 2810.87,883 2826.78,883 2861.06,917.28 C103.1 ; C103.1@2867.93,917.28 2869.27,915.94 C104.1 ; v2(3000,1354) 2999,1355 R206.2 3031,1465 v2(3035,1465) ; D102.A v2(3112,556) ; R104.1 3209,1812 v2(3209,1802) ; R105.1 3219,1366 v2(3228,1375)
  Bottom Layer w10: Q301.S 2130.5,342.54 2188,285.04 v2(2188,248)
  Bottom Layer w40: v2(40,1419) 41,1420 v2(41,1722) 97,1778 v2(795,1778) v2(849,1724) 849,1421 799,1371 88,1371 v2(40,1419)
  other v1: 2605,24 2655,24 2705,24 2755,24 2805,24 2857,25 2907,25 2957,25 3007,25 3057,25 200,200 1000,200 1400,200 1800,200 2000,200 2200,200 2400,200 2800,200 3200,200 300,400 500,400 700,400 900,400 1100,400 1500,400 1900,400 2500,400 2700,400 3100,400 3300,400 200,600 400,600 600,600 800,600 1000,600 1200,600 1400,600 1600,600 2000,600 2800,600 3200,600 300,800 500,800 700,800 900,800 1100,800 1300,800 1500,800 1700,800 1900,800 2100,800 2300,800 2900,800 1600,1000 2200,1000 3000,1000 300,1200 500,1200 700,1200 900,1200 1100,1200 1300,1200 1700,1200 2100,1200 1000,1400 1972,1416 2022,1416 2122,1416 2165,1456 1977,1481 2023,1481 3322,1497 2208,1498 2126,1530 742,1533 2246,1535 2299,1540 2349,1540 2399,1540 2449,1540 2499,1540 2553,1541 2603,1541 2653,1541 2703,1541 2753,1541 2805,1545 2855,1545 2905,1545 2955,1545 3005,1545 3322,1547 2154,1562 3322,1597 300,1600 500,1600 2807,1622 2857,1622 2907,1622 2957,1622 3007,1622 2354,1624 2404,1624 2454,1624 2504,1624 2553,1624 2603,1624 2653,1624 2703,1624 2753,1624 3322,1647 3322,1697 1000,1800 1200,1800 2600,1800 2800,1800 3000,1800 1335,1866 2040,1866.38 1338,1945 2043,1950
  other v2: 542,1368 261.07,1368.73 110,1371 111,1778 550,1780 270,1782
  other v3: 183,14 261.67,14 340.33,14 110.12,18 3113.74,22.68 3188.99,22.68 3264.24,22.68 3325.24,44.12 49.12,49 3356.24,105.12 27.68,110 3360.24,178 27.68,185.25 3360.24,256.67 27.68,260.5 3360.24,335.33 3359,1417 3358.32,1786.99 18,1794 3358.32,1862.24 20,1866 3336.88,1923.24 48.76,1926.88 109.76,1948.32 185.01,1948.32 260.26,1948.32 3275.88,1954.24 3045.67,1958.24 3124.33,1958.24 3203,1958.24
  other v4: 1653.37,1484.49 1731.12,1484.49 1614.49,1523.37 1692.24,1523.37 1770,1523.37 1653.37,1562.24 1731.12,1562.24 1614.49,1601.12 1692.24,1601.12 1770,1601.12 1653.37,1640 1731.12,1640
MP_BS: C100.1 U100.1 | length 76
  Top Layer w8: C100.1 2491.33,1060.53 2499,1068.19 U100.1
MP_COMP: C105.2 C107.2 U100.6 | length 246.5
  Top Layer w8: C107.2 2596.74,1363.74 U100.6@2596.74,1305.59 ; U100.6 2596.74,1283.15 2596.74,1298 U100.6@2596.74,1305.59 ; C105.2 2725.06,1370.53 2688.98,1334.44 2667.22,1334.44 2666.78,1334 2640.27,1334 2639.83,1334.44 2625.59,1334.44 U100.6@2596.74,1305.59
MP_EN: R100.1 U100.7 | length 93.6
  Top Layer w8: R100.1 2528.53,1362.06 2549,1341.59 U100.7
MP_FB: R101.2 R102.2 U100.5 | length 336.7
  Top Layer w8: U100.5 2649,1253.91 2684.47,1218.44 2684.47,1166.59 2725.06,1126 R102.2 2849.59,1126 2865.06,1110.53 R101.2
MP_IN: C101.2 C102.2 D101.1 D102.K R100.2 U100.2 | length 1914
  Top Layer w15: U100.2@2549,1059.03 U100.2
  Top Layer w20: v1(2326,1053) 2443,936 C101.2 C102.2 2514.47,1024.5 U100.2@2549,1059.03 ; v1(2326,1211.13) 2326,1250.33 2437.8,1362.12 2465.6,1362.12 R100.2 ; D101.1 2915.18,637.55 2957.36,595.37 D102.K
  Top Layer w32: D101.1 v2(3000.68,666.68)
  Int2 (PWR) w60: v1(2326,1211.13) v1(2326,1053) 2445.5,933.5 2845.5,933.5 3000.68,778.32 v2(3000.68,666.68)
MP_SS: C106.2 U100.8 | length 65.2
  Top Layer w8: C106.2 2491.33,1290.53 2499,1282.86 U100.8
MP_SW: C100.2 D100.K L100.1 U100.3 | length 715.7
  Top Layer w8: v2(2388.47,1057) 2390.39,1055.09 2390.39,1051.15 2440.06,1001.47 C100.2 ; U100.3 2599,1059.03 2631.66,1026.37 2631.66,1018.3 2640.06,1009.9 D100.K 2683.1,1009.9 2692.47,1000.53 L100.1 v2(2771.53,1000.53)
  Bottom Layer w8: v2(2388.47,1057) 2444.94,1000.53 v2(2771.53,1000.53)
NetC105_1: C105.1 R103.2 | length 65.9
  Top Layer w8: R103.2 C105.1
NetC300_2: C300.2 R300.2 | length 66.3
  Bottom Layer w20: C300.2 R300.2
NetD301_A: D301.A K300.3 Q301.D | length 228.8
  Bottom Layer w20: D301.A 2289.82,324.18 2262.82,324.18 2255.03,331.97 Q301.D 2217.11,331.97 2218.92,333.78 2218.92,363.94 K300.3
NetJ100_A5: J100.A5 R105.2 | length 259.8
  Top Layer w6: J100.A5 3135.62,1553.79 3169.13,1520.28 3169.13,1427.14 3145.31,1403.33 R105.2
NetJ100_B5: J100.B5 R104.2 | length 252.7
  Top Layer w8: J100.B5 3089.18,1670.11 3154.51,1670.11 3169.57,1685.17 3169.57,1779.82 3143.63,1805.77 R104.2
NetQ300_1: Q300.1 R201.2 | length 522.4
  Top Layer w20: R201.2 1629,1011.6 Q300.1
NetQ300_4: Q300.4 R302.1 | length 335.1
  Top Layer w20: v2(2071,376) 2204.4,509.4 Q300.4
  Bottom Layer w20: R302.1 2069.87,374.87 v2(2071,376)
NetQ300_5: Q300.5 R301.1 | length 69.5
  Top Layer w20: Q300.5 2207.72,714.31 2270.63,714.31 R301.1
NetQ301_G: Q301.G R302.2 | length 61.6
  Bottom Layer w20: R302.2 2071.83,292.28 2074.12,294.57 Q301.G
Op_AmP_OUT: R203.2 R402.1 U401.4 | length 870
  Top Layer w8: U401.4 U401.4@867.71,1326 ; R402.1 927.28,1385.57 U401.4@867.71,1326 ; R203.2 973.71,1220 U401.4@867.71,1326
PWR_SUP1: F100.1 JP100.2 | length 204.2
  Top Layer w32: JP100.2 JP100.2@2771.25,387.62 ; F100.1@2771.25,483.94 F100.1
  Int2 (PWR) w60: v1(2817,519) 2818,518 v1(2818,323)
PWR_SUP2: D101.2 F100.2 | length 294.5
  Top Layer w32: D101.2@2662.82,637.55 D101.2
  Int2 (PWR) w60: v1(2598,471) 2598,735 v1(2599,736)
RELAY_COM: C300.1 D300.A J300.1 J301.2 K300.4 | length 1173.3
  Int2 (PWR) w60: J301.2 585.13,200.03 887.28,200.03 J300.1 895.42,202.03 974.63,122.82 1267.33,122.82 1281.88,137.36 K300.4
  Bottom Layer w20: D300.A 538.13,243.03 J301.2 ; J300.1 920.62,233.37 920.62,291.52 C300.1
RELAY_NC: D300.K J301.1 K300.2 | length 1756.4
  Int2 (PWR) w60: J301.1 533.5,50.82 1535.21,50.82 1641.95,157.57 K300.2
  Bottom Layer w20: J301.1 447.94,259.69 447.94,285.63 D300.K
RELAY_NO: J300.2 K300.1 R300.1 | length 467.5
  Int2 (PWR) w60: J300.2 1305.4,421.3 1351.09,421.3 K300.1
  Bottom Layer w20: R300.1 1085.98,291.87 1085.98,202.19 J300.2
USB_D_N: J100.A7 J100.B7 MD200.26 | length 1319.8
  Top Layer w8: MD200.26 1928.4,1440.13 1939.96,1440.13 1940.96,1441.13 2095.83,1441.13 2227.86,1573.16 3087.08,1573.16 J100.B7 3089.3,1575.38 3114.09,1575.38 3121.91,1583.2 3121.91,1603.12 3114.09,1610.94 3089.3,1610.94 3088.24,1612 J100.A7@3084,1612
USB_D_P: J100.A6 J100.B6 MD200.27 | length 1294
  Top Layer w8: MD200.27 1932.4,1467.76 1939.02,1461.13 2087.55,1461.13 2219.57,1593.16 3075.16,1593.16 3073.25,1595.06 3060.71,1595.06 3052.89,1602.88 3052.89,1624.87 3059.65,1631.63 3068.76,1631.63 3069.66,1632.53 J100.B6
VBUS: J100.A4B9 J100.B4A9 R205.1 | length 407.1
  Top Layer w10: R205.1 2999.68,1496.97 3011.23,1508.51 J100.A4B9 3093.78,1514.89 3144.95,1514.89 3147.84,1512 v2(3149.13,1512) ; J100.B4A9 3098.66,1697.49 3105.04,1691.11 3143.65,1691.11 3146.41,1693.87 v2(3148.57,1693.87)
  Bottom Layer w6: v2(3148.57,1693.87) v2@3148.85,1693.6 ; v2@3148.85,1512.28 v2(3149.13,1512)
  Bottom Layer w10: v2@3148.85,1512.28 v2@3148.85,1693.6
pads on no net: J100.A8 J100.B8 J100.MH JP100.0 MD200.4 MD200.7 MD200.9 MD200.10 MD200.15 MD200.17 MD200.24 MD200.25 MD200.28 MD200.29 MD200.32 MD200.33 MD200.34 MD200.35 Q300.3 Q300.6 U101.4 U400.3 U400.6 U401.2 U401.5 U401.7

## Polygon pours and split planes (outlines as drawn)
GND on Top Layer "GND_L02_P-001" (solid, remove dead copper, pour order 11): 3276,110 120,110 110,120 110,1866 1364.62,1866 1365,1866.38 1369,1862.38 1369,1773 1370,1773 1402,1741 1989,1741 2020,1772 2019,1773 2019,1866.38 3275,1866.38
GND on Top Layer "GND_L02_P-001" (solid, remove dead copper, pour order 5): 2852,399 2852,334 ccw(c2874,334) 2874,312 2914,312 ccw(c2914,331) 2933,331 2933,405 3009.71,481.71 ccw(c2939,552.42) 3039,552.42 3039,565 ccw(c3031,565) 3031,573 2980,573 ccw(c2980,566) 2973,566 2973,551 cw(c2960.93,551) 2969.46,542.46 2866.5,444.5 ccw(c2914.17,404.25)
PWR_SUP1 on Top Layer "GND_L02_P-001" (solid, remove dead copper, pour order 4): 2817,309 ccw(c2817,323) 2831,323 2831,521 ccw(c2818,521) 2818,534 2756,534 ccw(c2756,522) 2744,522 2744,450 cw(c2739,450) 2739,445 ccw(c2739,437) 2731,437 2731,321 ccw(c2743,321) 2743,309 2746,309
PWR_SUP2 on Top Layer "GND_L02_P-001" (solid, remove dead copper, pour order 3): 2698,441 ccw(c2698,475) 2732,475 2732,732 ccw(c2708,732) 2708,756 2602,756 ccw(c2602,734) 2580,734 2580,465 ccw(c2604,465) 2604,441
GND on Int1 (GND) "GND_L02_P-001" (solid, remove dead copper, pour order 1): 114,10 cw(c113.99,114) 10,114 10,1864.42 cw(c112,1863.99) 112.43,1966 1350,1966 cw(c1353,1917.01) 1402,1920 1404,1780 ccw(c1410,1780) 1410,1774 1976,1774 ccw(c1976,1779) 1981,1779 1981,1920 cw(c2033,1914) 2039,1966 3274.14,1964 cw(c3268.93,1867.92) 3365.01,1862.71 3365.01,113.02 cw(c3270,110.01) 3273,15
GND on Bottom Layer "GND_L02_P-001" (solid, remove dead copper, pour order 8): 113.99,8.01 cw(c113.99,112.92) 9.07,112.93 9.07,1864.07 cw(c111.19,1864.07) 111.19,1966.19 1344,1966.19 cw(c1348.91,1912.1) 1403,1917 1403,1778.55 ccw(c1410,1778.55) 1410,1771.55 1977,1773 ccw(c1977,1778.55) 1982.55,1778.55 1982.55,1917 cw(c2036.79,1911.79) 2042,1966.03 3270.46,1966.03 cw(c3265.28,1865.45) 3365.86,1860.26 3365.86,119.38 cw(c3264.16,114.79) 3268.74,13.09

## Silkscreen, mask and mechanical layers (free items; w line width, h text height)
Top Overlay:
  drawing of 13 lines, arcs and shapes, not listed
  text "SHT" at 2261.82,1919 h60
  text "DFU" at 2982,1612.82 h60 r90
  text "T_IRQ" at 3216,1299.33 h36 r180
  text "PH SENSOR" at 320.24,1296 h60
  text "T_DO" at 3216,1245.5 h36 r180
  text "T_DIN" at 3216,1191.66 h36 r180
  text "T_CA" at 3216,1138.22 h36 r180
  text "TOUCH" at 3092.6,1125.99 h36 r91.28
  text "T_CLK" at 3216,1084.39 h36 r180
  text "SD_CS" at 220,1056.91 h36
  text "MISO" at 3216,1036.54 h36 r180
  text "SD_MOSI" at 220,1003.08 h36
  text "LED" at 3216,989.1 h36 r180
  text "SD_SCK" at 220,949.24 h36
  text "SCLK" at 3216,941.66 h36 r180
  text "SD CARD" at 84.61,923.99 h35 r91.28
  text "SD_MISO" at 220,895.4 h36
  text "MOSI" at 3216,893.81 h36 r180
  text "DC" at 3216,845.97 h36 r180
  text "RESET" at 3216,798.13 h36 r180
  text "CS" at 3216,750.29 h36 r180
  text "by. ADHAM ASHRAF" at 733.33,723 h60
  text "GND" at 3216,702.44 h36 r180
  text "VCC" at 3215.97,654.6 h36 r180
  text "DC_M" at 448.82,425.71 h60
  text "AC_M" at 926.82,425.71 h60
  text "POWER" at 2592.68,224.88 h70 r90
  text "-" at 3155,202.27 h60 r180
  text "+" at 2514,190.55 h60 r180
Mechanical 1:
  lines w10: -1.07,1860.72 -1.07,108 ccw(c108.96,108) 108.96,-2.02 3263,-0.02 ccw(c3263,115.61) 3378.6,115.61 ; -0.66,1860.72 cw(c114.99,1860.72) 114.99,1976.36 1410,1976.22 1410,1780 1420,1780 1975,1780 1975,1976.38 3271.64,1976.38 ; 3264.4,1976.61 cw(c3264.4,1861) 3380,1861 ; 3378.87,110 3379.96,1861